# Altium PCB final_clock.PcbDoc (part 1 of 2)
Units mil, origin at the board's own origin, x right, y up, seen from the top; angles counter-clockwise.
Board outline 7111.84 x 2071.84 mil, 2 copper layers (Top Layer, Bottom Layer); 93 components, 137 nets, 490 pads, 222 vias.
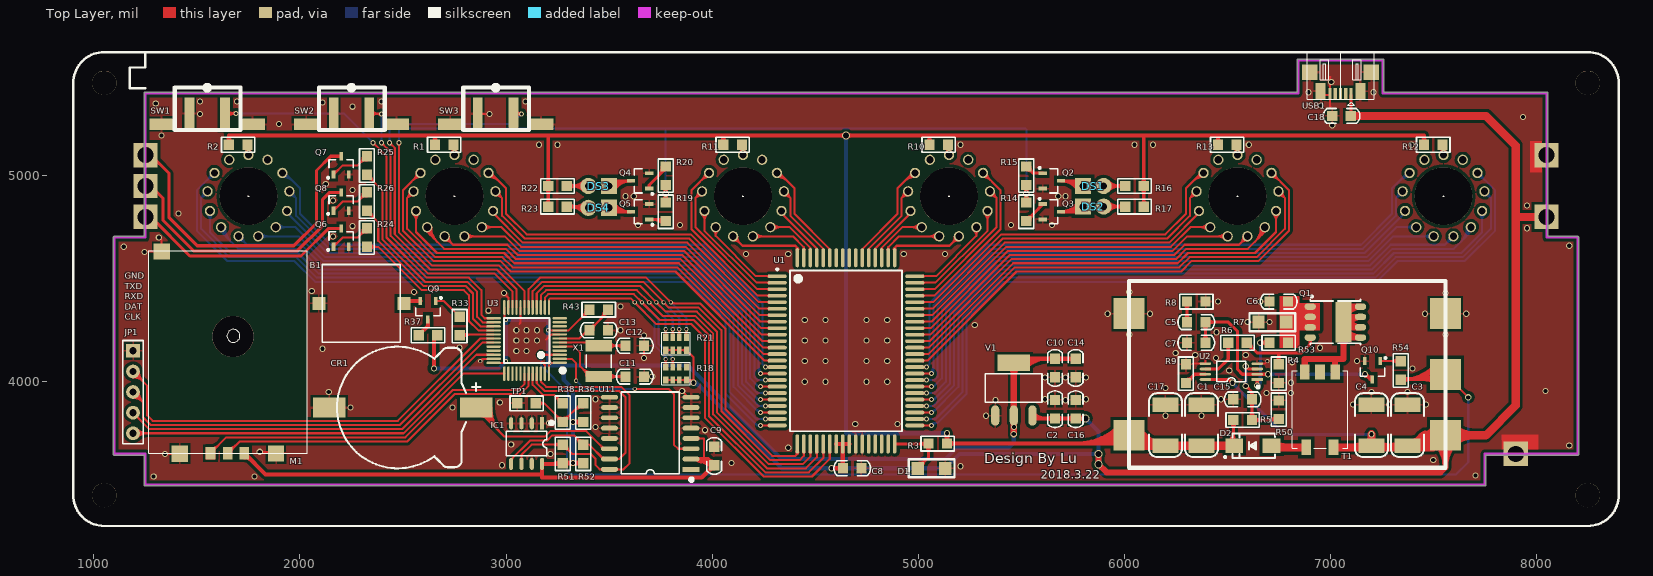
[diagram p0: Top Layer view]
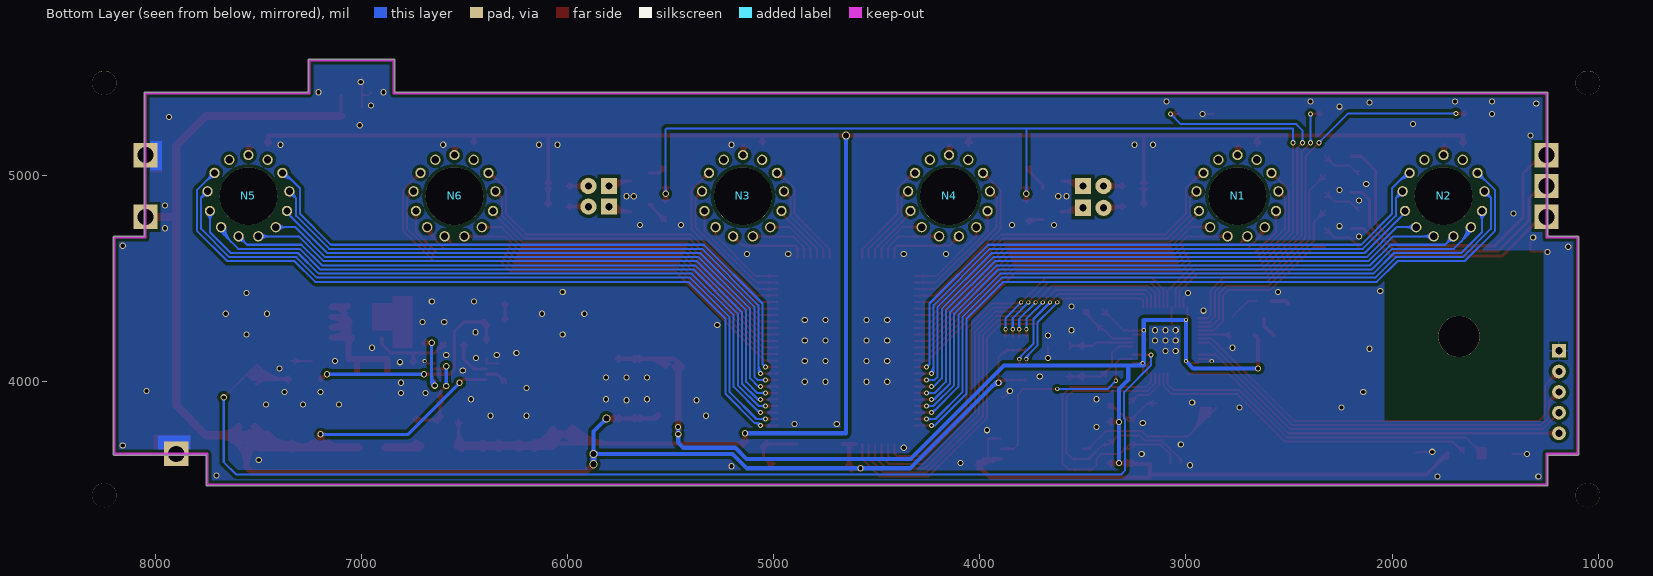
[diagram p1: Bottom Layer view, seen from below]

## Layer stack, top to bottom
Top Solder: solder mask 0.4, Solder Resist, Dk 3.5
Top Layer: signal copper 1.4
Dielectric 1: dielectric 12.6, FR-4, Dk 4.8
Bottom Layer: signal copper 1.4
Bottom Solder: solder mask 0.4, Solder Resist, Dk 3.5

## Board outline
1100,3644.08 1244.08,3644.08 1244.08,3500 ccw(c1250,3500) 1250,3494.08 7750,3494.08 ccw(c7750,3500) 7755.92,3500 7755.92,3644.08 8200,3644.08 ccw(c8200,3650) 8205.92,3650 8205.92,4700 ccw(c8200,4700) 8200,4705.92 8055.92,4705.92 8055.92,5400 ccw(c8050,5400) 8050,5405.92 7260.92,5405.92 7260.92,5560 ccw(c7255,5560) 7255,5565.92 6845,5565.92 ccw(c6845,5560) 6839.08,5560 6839.08,5405.92 1250,5405.92 ccw(c1250,5400) 1244.08,5400 1244.08,4705.92 1100,4705.92 ccw(c1100,4700) 1094.08,4700 1094.08,3650 ccw(c1100,3650)

## Design rules (kind name [scope] priority, off if disabled: settings)
Clearance [All] p1: gap=15
PolygonConnect PolygonConnect_2 [isVia] p1: connectstyle=Direct reliefconductorwidth=10 reliefentries=4 polygonreliefangle="90 Angle" airgapwidth=10
PolygonConnect PolygonConnect_1 [All] p2: connectstyle=Relief reliefconductorwidth=10 reliefentries=4 polygonreliefangle="90 Angle" airgapwidth=10
RoutingVias [All] p1: holewidth=28 width=50 viastyle="Through Hole" minholewidth=28 minwidth=50 maxholewidth=28 maxwidth=50
SolderMaskExpansion [All] p1: expansion=4
Width [All] p1: maxlimit=100 minlimit=10 preferedwidth=10
29 further rules are at their usual default settings.

## Components (designator, comment, footprint, x,y, rotation, side; value= is the part's Value field where it differs from the comment)
B1 "DC5V" 贴片蜂鸣器 2298,4380 r270 top
C1 "220NZ/250V" "C 1812" 6375,3789.37 r270 top
C2 "Cap" "C 0805" 5664.37,3866.89 r270 top
C3 "10uF" "C 1812" 7375,3789.37 r270 top
C4 "10uF" "C 1812" 7200,3789.37 r270 top
C5 "22NF" "C 0805" 6350,4289.37 r0 top
C6 "NC" "C 0805" 6750,4389.37 r180 top
C7 "NC" "C 0805" 6350,4189.37 r0 top
C8 "Cap" "C 0805" 4680,3580 r180 top
C9 "Cap" "C 0805" 4010,3640 r270 top
C10 "Cap" "C 0805" 5664.37,4066.89 r90 top
C11 "Cap" "C 0805" 3625,4025 r0 top
C12 "Cap" "C 0805" 3625,4175 r180 top
C13 "Cap" "C 0805" 3450,4250 r180 top
C14 "Cap" "C 0805" 5764.37,4066.89 r270 top
C15 "NC" "C 0805" 6575,3914.37 r180 top
C16 "Cap" "C 0805" 5764.37,3866.89 r270 top
C17 "220NZ/250V" "C 1812" 6200,3789.37 r270 top
C18 "Cap" "C 0805" 7055,5290 r0 top
CR1 "1220" CR1220_A 2475,3875 r0 top
D1 "75V/0.5W" "R 1206" 5065,3580 r180 top
D2 "RS1G" SMA 6625,3689.37 r180 top
DS1 "Lamp Neon" LED_PIN2 5800,4950 r0 top
DS2 "Lamp Neon" LED_PIN2 5800,4850 r0 top
DS3 "Lamp Neon" LED_PIN2 3500,4950 r180 top
DS4 "Lamp Neon" LED_PIN2 3500,4844.09 r180 top
IC1 "24Cxx" SOP8_L 3100,3700 r270 top
JP1 "HDR-1X5" HDR-1X5 1190,4150 r270 top
M1 "VK18U7" VK18U7 1675,4225 r180 top
N1 "ИН-14" IN14 2750,4900 r0 bottom
N2 "ИН-14" IN14 1750,4900 r0 bottom
N3 "ИН-14" IN14 5150,4900 r0 bottom
N4 "ИН-14" IN14 4150,4900 r0 bottom
N5 "ИН-14" IN14 7550,4900 r0 bottom
N6 "ИН-14" IN14 6550,4900 r0 bottom
Q1 "AON6504" DFN-MOS 7025,4289.37 r0 top
Q2 "A42" SOT23-3L 5650,4975 r270 top
Q3 "A42" SOT23-3L 5650,4825 r270 top
Q4 "A42" SOT23-3L 3650,4975 r90 top
Q5 "A42" SOT23-3L 3650,4825 r90 top
Q6 "SS8050" SOT23-3L 2200,4700 r0 top
Q7 "SS8050" SOT23-3L 2200,5050 r0 top
Q8 "SS8050" SOT23-3L 2200,4875 r0 top
Q9 "SS8050" SOT23-3L 2621,4347 r180 top
Q10 "SS8050" SOT23-3L 7204.72,4055.12 r180 top
R1 "Res2" "R 0805" 2700,5150 r180 top
R2 "Res2" "R 0805" 1700,5150 r180 top
R3 "Res2" "R 0805" 5095,3700 r180 top
R4 "Res2" "R 0805" 6750,4039.37 r90 top
R5 "Res2" "R 0805" 6575,3814.37 r0 top
R6 "Res2" "R 0805" 6550,4189.37 r0 top
R7 "0.02" "R 1206" 6719.69,4289.37 r0 top
R8 "Res2" "R 0805" 6350,4389.37 r0 top
R9 "Res2" "R 0805" 6300,4039.37 r90 top
R10 "Res2" "R 0805" 5100,5150 r180 top
R11 "Res2" "R 0805" 4100,5150 r180 top
R12 "Res2" "R 0805" 7500,5150 r180 top
R13 "Res2" "R 0805" 6500,5150 r180 top
R14 "Res2" "R 0805" 5525,5000 r270 top
R15 "Res2" "R 0805" 5525,4825 r90 top
R16 "Res2" "R 0805" 6050,4950 r180 top
R17 "Res2" "R 0805" 6050,4850 r180 top
R18 "103" RCA-8P4R-0603 3825,4040 r0 top
R19 "Res2" "R 0805" 3775,5000 r270 top
R20 "Res2" "R 0805" 3775,4825 r90 top
R21 "103" RCA-8P4R-0603 3825,4185 r0 top
R22 "Res2" "R 0805" 3250,4950 r0 top
R23 "Res2" "R 0805" 3250,4850 r0 top
R24 "Res2" "R 0805" 2325,4700 r270 top
R25 "Res2" "R 0805" 2325,5050 r270 top
R26 "Res2" "R 0805" 2325,4875 r270 top
R33 "Res2" "R 0805" 2775,4270 r90 top
R36 "Res2" "R 0805" 3375,3850 r270 top
R37 "Res2" "R 0805" 2621,4226 r0 top
R38 "Res2" "R 0805" 3275,3850 r270 top
R43 "Res2" "R 0805" 3450,4350 r180 top
R50 "Res2" "R 0805" 6750,3864.37 r90 top
R51 "Res2" "R 0805" 3275,3650 r90 top
R52 "Res2" "R 0805" 3375,3650 r90 top
R53 "Res2" "R 0805" 6750,4189.37 r0 top
R54 "Res2" "R 0805" 7342.52,4055.12 r270 top
SW1 "3x6x5" 贴片侧式按键 1550,5250 r180 top
SW2 "3x6x5" 贴片侧式按键 2250,5250 r180 top
SW3 "3x6x5" 贴片侧式按键 2950,5250 r180 top
T1 "TTRN-060S-035-T" EE5.0 6950,3864.37 r180 top
TP1 "Res2" "R 0805" 3100,3895 r0 top
U1 "HV57708PG" CQFP80 4650,4150 r0 top
U2 "LM3478MM" SSOP8_N 6520,4049.37 r180 top
U3 "STM32F103C8T6" "LQFP48 7X7_N" 3100,4200 r90 top
U11 "DS3231" SOP16W_M 3700,3750 r180 top
USB1 "USB-5P" USB-MICRO_A 7050,5490 r180 top
V1 "AMS1117-3V3" _SOT-223 5464.37,4091.89 r0 top
X1 "XTAL" 5032-xtal 3450,4100 r90 top

## Footprints (in the part's own frame and the unit in brackets; to place one, negate y for a bottom-side part, rotate by r counter-clockwise, add the part's x,y. Pads: shape width x height; smd on the part's side, far side on the other; paste and mask are expansions set on the pad)
5032-xtal [mm]
  rect 1.4x3.3 smd: 1(-1.9,0) 2(1.9,0)
  silkscreen extent -0.8,-1.55 0.8,1.55, body extent -2.5,-1.6 2.5,1.6, height 1
_SOT-223 [mm]
  oval 1x2.5 smd: 1(-2.29,-6.5) 2(0,-6.5) 3(2.29,-6.5)
  rect 4x2 smd: 2(0,0)
  silkscreen extent -3.52,-4.87 3.48,-1.37, body extent -3.25,-6.78 3.25,0.18, height 1.68
"C 0805" [mil] "无极性贴片电容"
  rect 50x50 smd: 1(-45,0) 2(45,0)
  silkscreen extent -89,-36 89,36, body extent -39,-24 39,24, height 20
"C 1812" [mil] "无极性贴片电容"
  rect 70x125 smd: 1(-100,0) 2(100,0)
  silkscreen extent -155,-80 155,80, body extent -91,-63 91,63, height 79
CQFP80 [mm] "80-Pin Ceramic Quad Flat Pack Rectangular 0.8 mm Pitch, IPC Low Density"
  oval 2.35x0.457 smd: 1(-8.475,9.2) 2(-8.475,8.4) 3(-8.475,7.6) 4(-8.475,6.8) 5(-8.475,6) 6(-8.475,5.2) 7(-8.475,4.4) 8(-8.475,3.6) 9(-8.475,2.8) 10(-8.475,2) 11(-8.475,1.2) 12(-8.475,0.4) 13(-8.475,-0.4) 14(-8.475,-1.2) 15(-8.475,-2) 16(-8.475,-2.8) 17(-8.475,-3.6) 18(-8.475,-4.4) 19(-8.475,-5.2) 20(-8.475,-6) 21(-8.475,-6.8) 22(-8.475,-7.6) 23(-8.475,-8.4) 24(-8.475,-9.2) 41(8.475,-9.2) 42(8.475,-8.4) 43(8.475,-7.6) 44(8.475,-6.8) 45(8.475,-6) 46(8.475,-5.2) 47(8.475,-4.4) 48(8.475,-3.6) 49(8.475,-2.8) 50(8.475,-2) 51(8.475,-1.2) 52(8.475,-0.4) 53(8.475,0.4) 54(8.475,1.2) 55(8.475,2) 56(8.475,2.8) 57(8.475,3.6) 58(8.475,4.4) 59(8.475,5.2) 60(8.475,6) 61(8.475,6.8) 62(8.475,7.6) 63(8.475,8.4) 64(8.475,9.2)
  oval 0.457x2.35 smd: 25(-6,-11.475) 26(-5.2,-11.475) 27(-4.4,-11.475) 28(-3.6,-11.475) 29(-2.8,-11.475) 30(-2,-11.475) 31(-1.2,-11.475) 32(-0.4,-11.475) 33(0.4,-11.475) 34(1.2,-11.475) 35(2,-11.475) 36(2.8,-11.475) 37(3.6,-11.475) 38(4.4,-11.475) 39(5.2,-11.475) 40(6,-11.475) 65(6,11.475) 66(5.2,11.475) 67(4.4,11.475) 68(3.6,11.475) 69(2.8,11.475) 70(2,11.475) 71(1.2,11.475) 72(0.4,11.475) 73(-0.4,11.475) 74(-1.2,11.475) 75(-2,11.475) 76(-2.8,11.475) 77(-3.6,11.475) 78(-4.4,11.475) 79(-5.2,11.475) 80(-6,11.475)
  silkscreen extent -8.6,-9.9 6.9,10.17, body extent -8.53,-11.43 8.27,11.37, height 3
CR1220_A [mm] "纽扣电池座"
  rect 4x2.5 smd: 1(9.652,0) 2(-8.458,0)
  silkscreen extent -7.5,-7.5 10.16,7.5, body extent -9.42,-7.45 10.34,7.45, height 4.05
DFN-MOS [mm]
  oval 1.4x0.8 smd: 1(-3.1,1.905) 2(-3.1,0.635) 3(-3.1,-0.635) 4(-3.1,-1.905) 5(3.1,-1.905) 6(3.1,-0.635) 7(3.1,0.635) 8(3.1,1.905)
  rect 0x0 smd: 9(0,0.85) 10(0,0.35) 11(0.85,0) 12(0.35,0) 13(0,-0.85) 14(0,-0.35) 15(-0.85,0) 16(-0.35,0)
  rect 2x5 smd: ""(1,0)
  silkscreen extent -3.1,-2.8 3.1,3.28, body extent -3.08,-2.57 3.08,2.58, height 1
EE5.0 [mm]
  rect 1.2x1.9 smd: 1(1.875,-4.65) 2(-1.675,4.65) 3(-1.875,-4.65) 4(1.675,4.65) NC(0,-4.65)
  silkscreen extent -3.4,-4.83 3.4,4.77, body extent -3.4,-4.83 3.4,4.83, height 5
HDR-1X5 [mm] "排针，5脚"
  rect 1.7x1.7 hole 0.9: 1(0,0)
  round 1.7 hole 0.9: 2(2.54,0) 3(5.08,0) 4(7.62,0) 5(10.16,0)
  silkscreen extent -1.27,-1.27 11.43,1.27, body extent -1.27,-1.27 11.43,1.27, height 8.5
IN14 [mil]
  round 50 hole 35: 1(0,-200) 2(-93.03,-177.05) 3(-164.65,-113.54) 4(-198.55,-24.03) 5(-186.98,70.99) 6(-132.58,149.74) 7(-47.81,194.2) 8(47.91,194.18) 9(132.65,149.68) 10(187.01,70.89) 11(198.54,-24.13) 12(164.59,-113.63) 13(92.94,-177.09)
LED_PIN2 [mm] "Photosensitive Diode; 2 Leads"
  rect 2x2 hole 0.9: 1(0,0)
  round 2 hole 0.9: 2(2.54,0)
"LQFP48 7X7_N" [mm] "48脚，体宽7x7mm，脚距0.5mm"
  oval 0.279x1.8 smd: 1(-2.75,-4.075) 2(-2.25,-4.075) 3(-1.75,-4.075) 4(-1.25,-4.075) 5(-0.75,-4.075) 6(-0.25,-4.075) 7(0.25,-4.075) 8(0.75,-4.075) 9(1.25,-4.075) 10(1.75,-4.075) 11(2.25,-4.075) 12(2.75,-4.075) 25(2.75,4.075) 26(2.25,4.075) 27(1.75,4.075) 28(1.25,4.075) 29(0.75,4.075) 30(0.25,4.075) 31(-0.25,4.075) 32(-0.75,4.075) 33(-1.25,4.075) 34(-1.75,4.075) 35(-2.25,4.075) 36(-2.75,4.075)
  oval 1.8x0.279 smd: 13(4.075,-2.75) 14(4.075,-2.25) 15(4.075,-1.75) 16(4.075,-1.25) 17(4.075,-0.75) 18(4.075,-0.25) 19(4.075,0.25) 20(4.075,0.75) 21(4.075,1.25) 22(4.075,1.75) 23(4.075,2.25) 24(4.075,2.75) 37(-4.075,2.75) 38(-4.075,2.25) 39(-4.075,1.75) 40(-4.075,1.25) 41(-4.075,0.75) 42(-4.075,0.25) 43(-4.075,-0.25) 44(-4.075,-0.75) 45(-4.075,-1.25) 46(-4.075,-1.75) 47(-4.075,-2.25) 48(-4.075,-2.75)
  silkscreen extent -3.93,-4.69 2.79,2.79, body extent -4.5,-4.5 4.5,4.5, height 1.45
"R 0805" [mil] "1/8W贴片电阻"
  rect 50x50 smd: 1(-45,0) 2(45,0)
  silkscreen extent -81,-36 81,36, body extent -39,-25 39,25, height 20
"R 1206" [mil] "1/4W贴片电阻"
  rect 60x62.99 smd: 1(-67.5,0) 2(67.5,0)
  silkscreen extent -112,-44 112,44, body extent -63,-31 63,32, height 22
RCA-8P4R-0603 [mm] "3.2mm*1.6mm*0.6mm(长*宽*厚)"
  rect 0.65x0.9 smd: 1(-1.28,-0.8) 4(1.28,-0.8) 5(1.28,0.8) 8(-1.28,0.8)
  rect 0.5x0.9 smd: 2(-0.4,-0.8) 3(0.4,-0.8) 6(0.4,0.8) 7(-0.4,0.8)
  silkscreen extent -1.78,-1.4 1.78,1.4, body extent -1.6,-0.8 1.6,0.8, height 0.6
SMA [mm] "4.5x2.6*2.2mm（长宽高，不包括引脚）"
  rect 2.2x1.75 smd: 1(-2.3,0) 2(2.3,0)
  silkscreen extent -2.7,-1.52 3.56,1.52, body extent -2.53,-1.3 2.58,1.3, height 2.15
SOP8_L [mm] "5*6*1.8mm（长宽高）"
  rect 1.5x0.5 smd: 1(-2.5,1.905)
  oval 1.5x0.5 smd: 2(-2.5,0.635) 3(-2.5,-0.635) 4(-2.5,-1.905) 5(2.5,-1.905) 6(2.5,-0.635) 7(2.5,0.635) 8(2.5,1.905)
  silkscreen extent -2.69,-2.5 1.52,3.2, body extent -3,-2.5 3,2.5, height 1.9
SOP16W_M [mm] "10.3*10.3*2.6mm（长宽高）"
  rect 2.1x0.6 smd: 1(-5.025,4.445)
  oval 2.1x0.6 smd: 2(-5.025,3.175) 3(-5.025,1.905) 4(-5.025,0.635) 5(-5.025,-0.635) 6(-5.025,-1.905) 7(-5.025,-3.175) 8(-5.025,-4.445) 9(5.025,-4.445) 10(5.025,-3.175) 11(5.025,-1.905) 12(5.025,-0.635) 13(5.025,0.635) 14(5.025,1.905) 15(5.025,3.175) 16(5.025,4.445)
  silkscreen extent -5.23,-5.08 3.56,5.87, body extent -5.15,-5.15 5.15,5.15, height 2.7
SOT23-3L [mm] "3x1.3x1mm(长宽高)"
  rect 0.45x1 smd: 1(-0.95,-1.143) 2(0.95,-1.143) 3(0,1.125)
  silkscreen extent -1.72,-1.65 1.5,0.7, body extent -1.5,-1.2 1.5,1.2, height 1.05
SSOP8_N [mm] "3*6.4*1.2mm（长宽高）"
  rect 1.4x0.35 smd: 1(-3.2,0.975)
  oval 1.4x0.35 smd: 2(-3.2,0.325) 3(-3.2,-0.325) 4(-3.2,-0.975) 5(3.2,-0.975) 6(3.2,-0.325) 7(3.2,0.325) 8(3.2,0.975)
  silkscreen extent -3.43,-1.27 1.78,2.03, body extent -3.2,-1.75 3.2,1.75, height 1.25
USB-MICRO_A [mm] "micro型USB ，5.9*8.2*2.5mm"
  rect 0.4x1.4 smd: 1(-1.296,2.355) 2(-0.648,2.355) 3(0,2.355) 4(0.648,2.355) 5(1.295,2.355)
  rect 1.9x1.9 smd: 5(-3.81,-0.312) 5(3.784,-0.312)
  rect 1.25x2 smd: 5(-2.464,2.025) 5(2.464,2.025)
  silkscreen extent -4.14,-2.89 4.11,3.75, body extent -3.98,-2.77 3.98,2.65, height 2.69
VK18U7 [mm]
  rect 2x2 smd: 1(6.553,14.58) 2(-5.309,14.554) 3(8.788,-10.338)
  rect 1.2x1.5 smd: 4(2.769,14.529) 5(0.635,14.529) 6(-1.397,14.529)
  Top Layer region: 3.366,15.274 2.166,15.274 2.166,13.774 3.366,13.774
  silkscreen extent -9.14,-10.44 10.41,14.55
贴片侧式按键 [mm]
  rect 3x1.4 smd: 0(-5.6,0) 0(5.6,0)
  rect 1.2x4 smd: 1(-2.2,-1.3) 2(2.2,-1.3)
  silkscreen extent -4.1,-4.6 4,0.7
贴片蜂鸣器 [mm]
  rect 1.6x1.6 smd: 1(0,5.25) 2(0,-5.25)
  silkscreen extent -4.8,-4.8 4.8,4.8

## Part data
B1: library part BEEP, "蜂鸣器"
C1 C3 C4 C5 C6 C7 C15 C17: library part CAP, "无极性电容"
C2 C8 C9 C10 C11 C12 C13 C14 C16 C18: "Capacitor"
CR1: library part CR-3V, "微型电池"
D1: library part "Diode 10TQ040", "Schottky Rectifier"
D2: "贴片快恢复二极管"
DS1 DS2 DS3 DS4: "Neon Lamp"
IC1: "外置EEPROM"
JP1: library part "Header 5", "5P接插件"
Q1: library part AON6, "N沟道MOS管"
Q2 Q3 Q4 Q5 Q6 Q7 Q8 Q9 Q10: library part 8050-SMD, "高频放大-NPN型"
R1 R2 R3 R4 R5 R6 R8 R9 R10 R11 R12 R13 R14 R15 R16 R17 R19 R20 R22 R23 R24 R25 R26 R33 R36 R37 R38 R43 R50 R51 R52 R53 R54 TP1: "Resistor"
R7: library part RES
R18 R21: library part R-8P4R, "贴片网络排阻"
SW1 SW2 SW3: library part "TSW 3x6", "3x6轻触开关"
T1: "闪光灯变压器"
U2: "开关电源芯片"
USB1: "微型USB母座"
V1: library part AMS1117, "三端稳压芯片"
X1: "Crystal Oscillator"

## Free pads (board coordinates)
  round 118.11 hole 118.11: 0(1050,3450) 0(1050,5450) 0(8250,3450) 0(8250,5450)
  rect 118.11x118.11 hole 78.74: 0(1250,5100) 1(1250,4950) 2(1250,4800) 3(8050,5100) 4(8050,4800) 5(7900,3650)
  rect 150x150 smd: 0(6023.62,3740.16) 0(6023.62,4330.71) 0(7559.06,3740.16) 0(7559.06,4035.43) 0(7559.06,4330.71)
  rect 150x150 on Top Solder: 0(6023.62,3740.16) 0(6023.62,4330.71) 0(7559.06,3740.16) 0(7559.06,4035.43) 0(7559.06,4330.71)
  round 200 hole 200: 6(1675,4220)
  round 280 hole 280: 6(1750,4900) 6(2750,4900) 6(4150,4900) 6(5150,4900) 6(6550,4900) 6(7550,4900)

## Via types
v1: diameter 30, hole 20, Top Layer to Bottom Layer, 170 vias
v2: diameter 25, hole 15, Top Layer to Bottom Layer, 28 vias
v3: diameter 20, hole 12, Top Layer to Bottom Layer, 20 vias
v4: diameter 40, hole 30, Top Layer to Bottom Layer, 4 vias

## Nets (pads, with @x,y where several pads share a name; then routed paths per layer and width w, separated by ;. In a path a pad name is that pad's centre, name@x,y a point inside that pad or via, vN(x,y) a via of type N, cw(c..) or ccw(c..) an arc to the next point about the centre after c; other vN are vias at no path point)
3.3V: C9.2 C10.2 C14.1 IC1.8 M1.6 R36.2 R37.2 R43.2 R51.1 R52.1 U3.1 U3.9 U3.24 U3.36 U3.48 U11.2 U11.4 V1.2 | length 9614.6
  Top Layer w10: U3.36@2939.55,4091.73 2996.73,4091.73 v3@3000,4095 ; U3.24@2991.73,4360.45 2991.73,4308.27 ; v3@2995,4300.11 ccw(c2983.84,4300.37) 2991.73,4308.27 ; v3@2999.89,4305 cw(c2999.63,4316.16) 2991.73,4308.27 ; v3(3000,4300) 2991.73,4308.27 ; U3.48@3208.27,4039.55 3208.27,4088.27 v3(3210.92,4090.92) U3.1@3260.45,4090.92 ; v3@3208.54,4246.46 cw(c3215.17,4239.83) 3215.17,4249.21 ; v3@3208.54,4253.54 ccw(c3218.97,4263.97) 3218.97,4249.21 ; v3@3210,4250 3210.79,4249.21 U3.9@3260.45,4249.21 3304.21,4249.21 R43.2@3405,4350 ; v3@3214.45,4087.38 cw(c3222.99,4078.85) 3222.99,4090.92 cw(c3222.99,4102.99) v3@3214.45,4094.45 ; R43.2@3385,4350 cw(c3336.72,4350) 3370.86,4315.86 cw(c3405,4281.72) R43.2@3405,4330 ; U11.4@3897.83,3725 3960,3725 3960,3630 ; U11.4@3932.18,3720.18 cw(c3943.81,3708.56) 3943.81,3725 cw(c3943.81,3741.44) U11.4@3932.18,3729.82
  Top Layer w20: M1.6@1730,3633.47 cw(c1730,3586.33) 1763.34,3619.66 ; M1.6@1730,3653 1833,3550 3175,3550 ; v1(2650,4065) 2650,4210 R37.2@2666,4226 ; 3230.52,3601.57 ccw(c3230.52,3649.48) R51.1@3264.39,3615.61 ; 3247.06,3601.57 cw(c3247.06,3577.06) R51.1@3264.39,3594.39 ; R51.1@3285.61,3594.39 cw(c3311.21,3568.79) 3311.21,3605 cw(c3311.21,3641.21) R51.1@3285.61,3615.61 ; 3304.1,3603.09 cw(c3310.37,3579.67) v1@3322.5,3600.67 ; 3304.1,3606.91 ccw(c3310.37,3630.33) v1@3322.5,3609.33 ; v1(3325,3805) R36.2@3375,3805 ; v1@3327.5,3600.67 cw(c3339.63,3579.67) 3345.9,3603.09 ; v1@3327.5,3609.33 ccw(c3339.63,3630.33) 3345.9,3606.91 ; v1@3327.5,3800.67 cw(c3339.63,3779.67) 3345.9,3803.09 ; v1@3327.5,3809.33 ccw(c3339.63,3830.33) 3345.9,3806.91 ; R52.1@3364.39,3594.39 ccw(c3338.79,3568.79) 3338.79,3605 ccw(c3338.79,3641.21) R52.1@3364.39,3615.61 ; R36.2@3364.39,3794.39 ccw(c3338.79,3768.79) 3338.79,3805 ccw(c3338.79,3841.21) R36.2@3364.39,3815.61 ; R52.1@3375,3605 v1(3325,3605) R51.1@3275,3605 3271.57,3601.57 IC1.8@3175,3601.57 3175,3535 3950,3535 C9.2@4010,3595 3980,3625 U11.2@3897.83,3625 ; U11.2@3901.36,3625 cw(c3901.36,3486.36) C9.2@3999.39,3584.39 ; U11.2@3928.93,3625.91 ccw(c3952.62,3639.58) 3945.54,3613.16 ; 3949.64,3625 cw(c3949.64,3534.64) C9.2@4013.54,3598.54 ; C9.2@4010,3580 ccw(c4010,3543.79) 3984.39,3569.39 ccw(c3958.79,3595) 3995,3595 ccw(c3958.79,3595) 3984.39,3620.61 ccw(c4010,3646.21) C9.2@4010,3610 ; V1.2@5464.37,4091.89 5484.37,4111.89 C10.2@5664.37,4111.89 C14.1@5764.37,4111.89 ; V1.2@5510.37,4085.26 cw(c5574.65,4020.98) 5574.65,4111.89 ; V1.2@5524.51,4071.12 cw(c5622.93,3972.7) 5622.93,4111.89 ; C10.2@5653.76,4101.28 ccw(c5628.16,4075.68) 5628.16,4111.89 ccw(c5628.16,4148.1) C10.2@5653.76,4122.5 ; C10.2@5674.98,4101.28 cw(c5700.58,4075.68) 5700.58,4111.89 cw(c5700.58,4148.1) C10.2@5674.98,4122.5 ; C14.1@5753.76,4101.28 ccw(c5728.16,4075.68) 5728.16,4111.89 ccw(c5728.16,4148.1) C14.1@5753.76,4122.5
  Top Layer w30: V1.2@5447.14,4074.66 cw(c5405.54,4033.06) 5464.37,4033.06 cw(c5523.2,4033.06) V1.2@5481.6,4074.66 ; v1(5464.37,3745.63) V1.2@5464.37,3835.98 V1.2@5464.37,4091.89
  Bottom Layer w20: v1(2650,4065) 2965,4065 v3(3000,4100) v3(3000,4300) 3205,4300 3205,4080.36 3205.75,4079.61 3280,4079.61 ; 3205,4105.2 ccw(c3225.2,4105.2) v3(3210.92,4090.92) ccw(c3238.23,4118.23) 3238.23,4079.61 ; v1(3325,3605) v1(3325,3805) 3325,3965 3280,4010 3280,4079.61 ; v1@5464.37,3780 5464.37,3704.37 5440,3680 5187.57,3680 5132.57,3625 4337.43,3625 3882.82,4079.61 3280,4079.61
  other v1: 5465,3780
  other v3: 3205,4250
5V: C2.2 C3.2 C4.2 C8.2 C16.2 C18.2 pad.0@7559.06,3740.16 pad.4 R18.1 R18.2 R18.3 R18.4 R21.1 R21.2 R21.3 R21.4 T1.2 U1.31 U1.32 U1.33 U2.8 USB1.1 V1.3 | length 12073.9
  Top Layer w10: R18.1@3774.61,4008.5 R18.2@3809.25,4008.5 R18.3@3840.75,4008.5 R18.4@3875.39,4008.5 ; R21.1@3774.61,4153.5 R21.2@3809.25,4153.5 R21.3@3840.75,4153.5 R21.4@3875.39,4153.5 3910,4118.9 3910,4005 3906.5,4008.5 R18.4@3875.39,4008.5 ; R18.1@3780.12,4002.99 cw(c3793.43,3989.68) 3793.43,4008.5 cw(c3793.43,4027.32) R18.1@3780.12,4014.02 ; R21.1@3780.12,4147.99 cw(c3793.43,4134.68) 3793.43,4153.5 cw(c3793.43,4172.32) R21.1@3780.12,4159.02 ; R18.2@3805.83,4005.08 ccw(c3797.56,3996.81) 3797.56,4008.5 ccw(c3797.56,4020.19) R18.2@3805.83,4011.93 ; R21.2@3805.83,4150.08 ccw(c3797.56,4141.81) 3797.56,4153.5 ccw(c3797.56,4165.19) R21.2@3805.83,4156.93 ; R18.2@3812.68,4005.08 cw(c3820.94,3996.81) 3820.94,4008.5 cw(c3820.94,4020.19) R18.2@3812.68,4011.93 ; R21.2@3812.68,4150.08 cw(c3820.94,4141.81) 3820.94,4153.5 cw(c3820.94,4165.19) R21.2@3812.68,4156.93 ; R18.3@3837.32,4005.08 ccw(c3829.06,3996.81) 3829.06,4008.5 ccw(c3829.06,4020.19) R18.3@3837.32,4011.93 ; R21.3@3837.32,4150.08 ccw(c3829.06,4141.81) 3829.06,4153.5 ccw(c3829.06,4165.19) R21.3@3837.32,4156.93 ; R18.3@3844.17,4005.08 cw(c3852.44,3996.81) 3852.44,4008.5 cw(c3852.44,4020.19) R18.3@3844.17,4011.93 ; R21.3@3844.17,4150.08 cw(c3852.44,4141.81) 3852.44,4153.5 cw(c3852.44,4165.19) R21.3@3844.17,4156.93 ; R18.4@3869.88,4002.99 ccw(c3856.57,3989.68) 3856.57,4008.5 ccw(c3856.57,4027.32) R18.4@3869.88,4014.02 ; R21.4@3869.88,4147.99 ccw(c3856.57,4134.68) 3856.57,4153.5 ccw(c3856.57,4172.32) R21.4@3869.88,4159.02 ; R21.4@3875.39,4140.79 cw(c3875.39,4110.09) 3897.1,4131.8 ; R18.4@3880.91,4002.99 cw(c3894.21,3989.68) 3894.21,4008.5 cw(c3894.21,4027.32) R18.4@3880.91,4014.02 ; 3890.12,4008.5 cw(c3890.12,3987.12) v1(3910,3995) ; v1@3900.7,3991.31 ccw(c3875.39,3981.28) R18.4@3875.39,4008.5 ; v1@3902.93,4002.07 ccw(c3885.86,4019.14) 3910,4019.14 ccw(c3934.14,4019.14) v1@3917.07,4002.07
  Top Layer w15: U2.8@6394.02,4010.98 6509.02,4010.98 v1(6525,3995) ; v1@6517.5,3995 ccw(c6499.39,3995) 6512.2,4007.8 ccw(c6525,4020.61) v1@6525,4002.5 ; C18.2@7100,5290 7101.01,5291.01 USB1.1@7101.01,5392.28
  Top Layer w20: v1(4580,3580) C8.2@4635,3580 ; U1.31@4602.76,3698.23 U1.32@4634.25,3698.23 ; C8.2@4624.39,3569.39 ccw(c4598.79,3543.79) 4598.79,3580 ccw(c4598.79,3616.21) 4624.39,3590.61 ccw(c4600.59,3614.41) 4634.25,3614.41 ; C8.2@4634.25,3580.75 U1.32@4634.25,3698.23 ; 4634.25,3618.02 ccw(c4673.02,3618.02) C8.2@4645.61,3590.61 ; U1.33@4665.75,3698.23 U1.32@4634.25,3698.23 ; V1.3@5554.53,3835.98 5568.62,3821.89 C2.2@5664.37,3821.89 C16.2@5764.37,3821.89 v4(5811.89,3821.89) ; V1.3@5561.38,3842.83 ccw(c5611.94,3893.39) 5611.94,3821.89 ; C2.2@5653.76,3811.28 ccw(c5628.16,3785.68) 5628.16,3821.89 ccw(c5628.16,3858.1) C2.2@5653.76,3832.5 ; C2.2@5674.98,3811.28 cw(c5700.58,3785.68) 5700.58,3821.89 cw(c5700.58,3858.1) C2.2@5674.98,3832.5 ; C16.2@5753.76,3811.28 ccw(c5728.16,3785.68) 5728.16,3821.89 ccw(c5728.16,3858.1) C16.2@5753.76,3832.5 ; C16.2@5774.98,3811.28 cw(c5800.58,3785.68) 5800.58,3821.89 cw(c5800.58,3858.1) C16.2@5774.98,3832.5 ; C16.2@5787.37,3818.35 cw(c5792.52,3799.16) v4@5805.4,3814.28 ; C16.2@5787.37,3825.43 ccw(c5792.52,3844.62) v4@5805.4,3829.5 ; v4@5804.82,3814.82 ccw(c5787.75,3797.75) 5787.75,3821.89 ccw(c5787.75,3846.03) v4@5804.82,3828.96
  Top Layer w30: v4(5875,3650) v4(5875,3600) 5915,3560 7535,3560 7559.06,3584.06 pad.0@7559.06,3740.16 ; pad.0@7516.63,3697.73 cw(c7414.2,3595.3) 7559.06,3595.3 cw(c7703.91,3595.3) pad.0@7601.48,3697.73
  Top Layer w40: T1.2@7015.94,3681.3 7500.2,3681.3 pad.0@7559.06,3740.16 7755.16,3740.16 7900,3885 7900,4795 ; C18.2@7100,5290 7757,5290 7900,5147 7900,4795 ; 7116.8,3681.3 ccw(c7116.8,3745.07) C4.2@7161.89,3699.98 ; C4.2@7189.39,3699.98 ccw(c7163.79,3725.58) 7200,3725.58 ccw(c7236.21,3725.58) C4.2@7210.61,3699.98 ; C4.2@7200,3689.37 v1(7200,3745) ; C4.2@7238.11,3699.98 ccw(c7283.2,3745.07) 7283.2,3681.3 ; 7284.18,3681.3 ccw(c7284.18,4015.04) pad.0@7520.16,3779.05 ; 7291.8,3681.3 ccw(c7291.8,3745.07) C3.2@7336.89,3699.98 ; 7309.41,3684.87 cw(c7314.91,3646.04) C3.2@7338.48,3677.38 ; C3.2@7380.75,3681.3 ccw(c7380.75,3918.47) pad.0@7548.45,3750.76 ; C3.2@7410,3702.36 ccw(c7431.8,3740.12) 7443.09,3698 ; C3.2@7413.11,3699.98 ccw(c7458.2,3745.07) 7458.2,3681.3 ; C3.2@7417.03,3685.63 cw(c7509.66,3661.77) 7461.03,3744.14 ; 7477.31,3681.3 ccw(c7477.31,3821.9) pad.0@7576.73,3722.48 ; pad.0@7597.95,3701.27 cw(c7691.84,3607.38) 7691.84,3740.16 cw(c7691.84,3872.94) pad.0@7597.95,3779.05 ; pad.4@8050,4800 7905,4800 7900,4795